# Altium PCB EDA-03518-V3-0_pcb.pcbdoc (part 11 of 14)
Units mm, origin at the board's own origin, x right, y up, seen from the top; angles counter-clockwise.
Board outline 220 x 230 mm, 8 copper layers (Top Layer, L2P, L3, L4P, L5P, L6, L7P, Bottom Layer), stack 2.18 mm thick; 1190 components, 1445 nets, 5955 pads, 2149 vias.
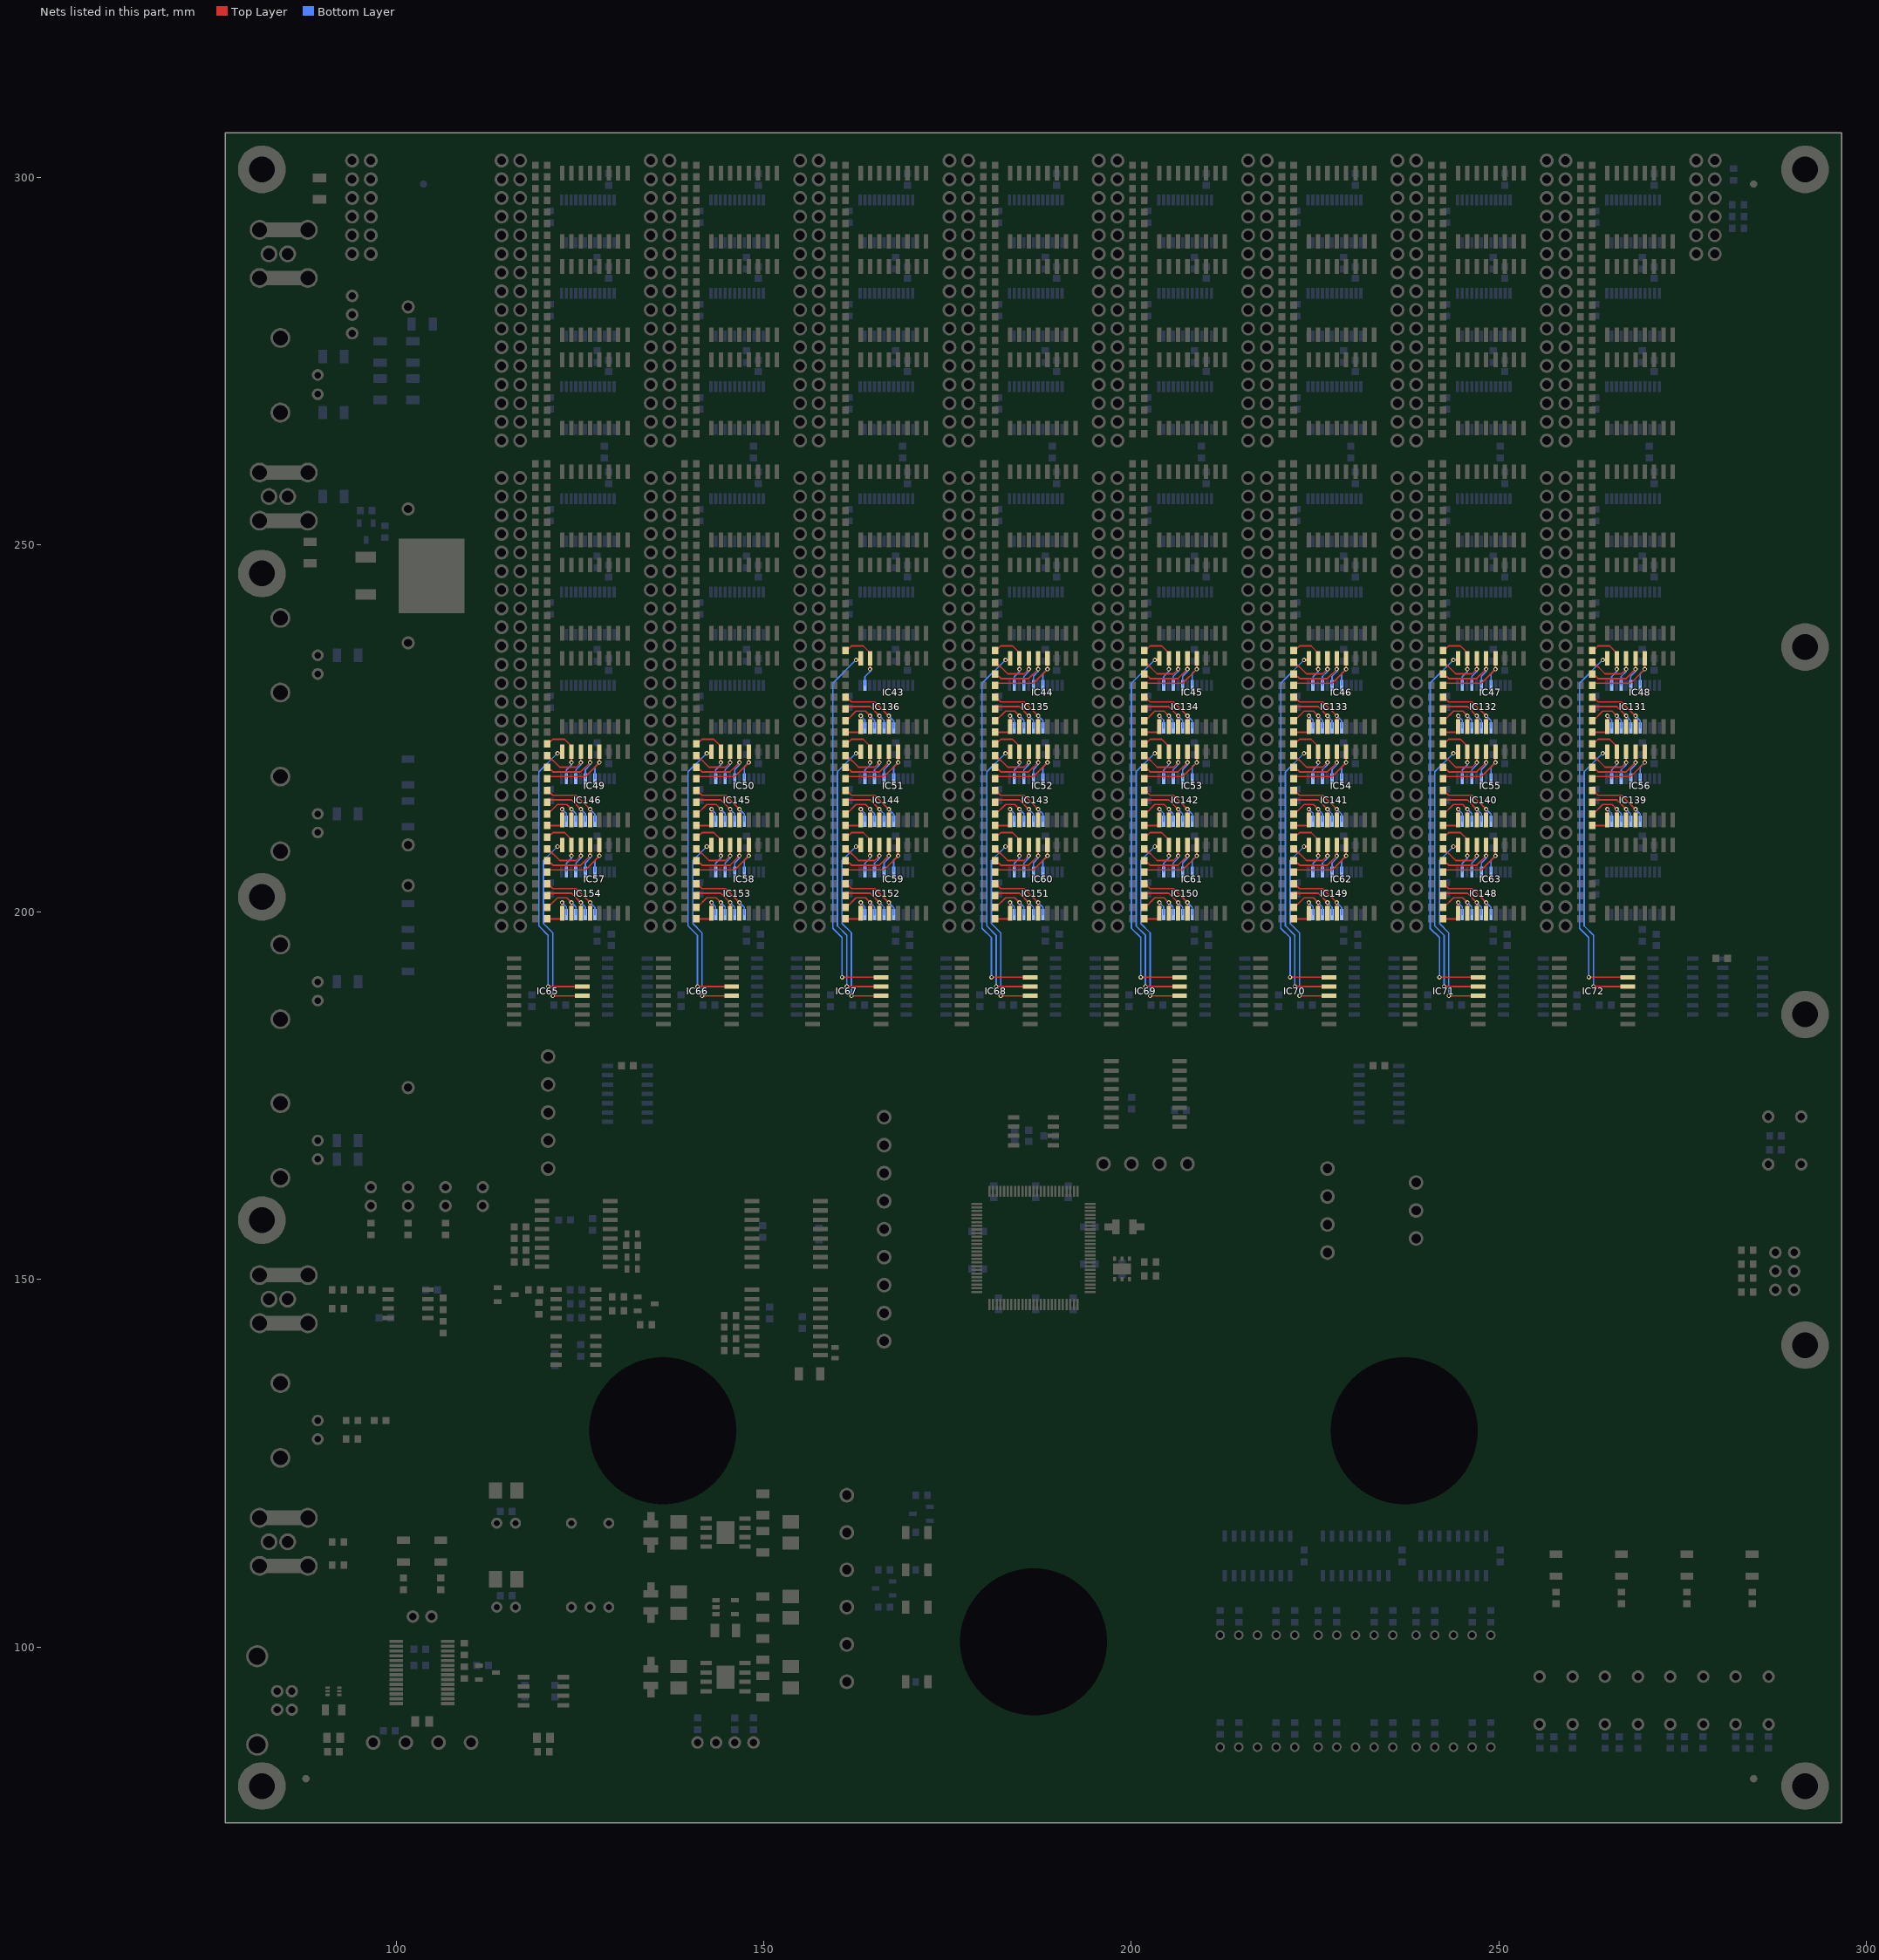
[diagram p17: the nets of this part, all layers, seen from the top]

## Via types
v1: diameter 0.6, hole 0.3, Top Layer to Bottom Layer, tented both sides, 1995 vias
v2: diameter 1, hole 0.5, Top Layer to Bottom Layer, tented both sides, 154 vias

## Nets (pads, with @x,y where several pads share a name; then routed paths per layer and width w, separated by ;. In a path a pad name is that pad's centre, name@x,y a point inside that pad or via, vN(x,y) a via of type N, cw(c..) or ccw(c..) an arc to the next point about the centre after c; other vN are vias at no path point) (continued)
NetIC43_7: IC43.7 IC136.14 R325.2 | length 8.7
  Top Layer w0.203: R325.2@161.138,235.585 161.29,235.585 161.925,236.22 163.512,236.22 164.465,235.267 IC43.7@164.465,234.52 v1(164.465,233.045)
  Bottom Layer w0.203: IC136.14@163.762,230.865 163.762,232.025 164.465,232.727 v1(164.465,233.045)
NetIC43_8: IC43.8 IC67.6 | length 51
  Top Layer w0.203: v1(160.655,191.135) IC67.6@165.94,191.135 ; v1(162.56,234.315) 162.99,234.315 IC43.8@163.195,234.52
  Bottom Layer w0.203: v1(160.655,191.135) 160.655,196.532 159.385,197.802 159.385,231.14 v1(162.56,234.315)
NetIC43_9: IC43.9 IC136.11 R381.2 | length 6.1
  Top Layer w0.203: R381.2@161.138,224.472 163.195,224.472 IC43.9@163.195,225.22 v1(163.195,226.695)
  Bottom Layer w0.203: v1(163.195,226.695) 163.762,226.128 IC136.11@163.762,225.065
NetIC43_10: IC43.10 IC136.9 R373.2 | length 7.5
  Top Layer w0.203: R373.2@161.138,226.06 161.29,226.06 162.56,227.33 163.83,227.33 v1(164.465,226.695) IC43.10@164.465,225.22
  Bottom Layer w0.203: v1(164.465,226.695) 165.062,226.098 IC136.9@165.062,225.065
NetIC43_11: IC43.11 IC136.7 R365.2 | length 8.6
  Top Layer w0.203: R365.2@161.138,227.647 161.455,227.965 164.465,227.965 v1(165.735,226.695) IC43.11@165.735,225.22
  Bottom Layer w0.203: v1(165.735,226.695) 166.362,226.068 IC136.7@166.362,225.065
NetIC43_12: IC43.12 IC136.5 R357.2 | length 10.3
  Top Layer w0.203: R357.2@161.138,229.235 161.29,229.235 161.925,228.6 165.1,228.6 v1(167.005,226.695) IC43.12@167.005,225.22
  Bottom Layer w0.203: v1(167.005,226.695) 167.662,226.038 IC136.5@167.662,225.065
NetIC44_4: IC44.4 IC135.20 R350.2 | length 12
  Top Layer w0.203: R350.2@181.458,230.822 181.775,231.14 186.69,231.14 v1(188.595,233.045) IC44.4@188.595,234.52
  Bottom Layer w0.203: IC135.20@187.982,230.865 187.982,232.432 v1(188.595,233.045)
NetIC44_5: IC44.5 IC135.18 R342.2 | length 10.6
  Top Layer w0.203: R342.2@181.458,232.41 181.61,232.41 182.245,231.775 186.055,231.775 v1(187.325,233.045) IC44.5@187.325,234.52
  Bottom Layer w0.203: IC135.18@186.682,230.865 186.682,232.085 187.325,232.727 v1(187.325,233.045)
NetIC44_6: IC44.6 IC135.16 R334.2 | length 9.5
  Top Layer w0.203: R334.2@181.458,233.998 181.61,233.998 183.197,232.41 185.42,232.41 v1(186.055,233.045) IC44.6@186.055,234.52
  Bottom Layer w0.203: IC135.16@185.382,230.865 185.382,232.055 186.055,232.727 v1(186.055,233.045)
NetIC44_7: IC44.7 IC135.14 R326.2 | length 8.7
  Top Layer w0.203: R326.2@181.458,235.585 181.61,235.585 182.245,236.22 183.832,236.22 184.785,235.267 IC44.7@184.785,234.52 v1(184.785,233.045)
  Bottom Layer w0.203: IC135.14@184.082,230.865 184.082,232.025 184.785,232.727 v1(184.785,233.045)
NetIC44_8: IC44.8 IC68.6 | length 51
  Top Layer w0.203: v1(180.975,191.135) IC68.6@186.26,191.135 ; v1(182.88,234.315) 183.31,234.315 IC44.8@183.515,234.52
  Bottom Layer w0.203: v1(180.975,191.135) 180.975,196.532 179.705,197.802 179.705,231.14 v1(182.88,234.315)
NetIC44_9: IC44.9 IC135.11 R382.2 | length 6.1
  Top Layer w0.203: R382.2@181.458,224.472 183.515,224.472 IC44.9@183.515,225.22 v1(183.515,226.695)
  Bottom Layer w0.203: v1(183.515,226.695) 184.082,226.128 IC135.11@184.082,225.065
NetIC44_10: IC44.10 IC135.9 R374.2 | length 7.5
  Top Layer w0.203: R374.2@181.458,226.06 181.61,226.06 182.88,227.33 184.15,227.33 v1(184.785,226.695) IC44.10@184.785,225.22
  Bottom Layer w0.203: v1(184.785,226.695) 185.382,226.098 IC135.9@185.382,225.065
NetIC44_11: IC44.11 IC135.7 R366.2 | length 8.6
  Top Layer w0.203: R366.2@181.458,227.647 181.775,227.965 184.785,227.965 v1(186.055,226.695) IC44.11@186.055,225.22
  Bottom Layer w0.203: v1(186.055,226.695) 186.682,226.068 IC135.7@186.682,225.065
NetIC44_12: IC44.12 IC135.5 R358.2 | length 10.3
  Top Layer w0.203: R358.2@181.458,229.235 181.61,229.235 182.245,228.6 185.42,228.6 v1(187.325,226.695) IC44.12@187.325,225.22
  Bottom Layer w0.203: v1(187.325,226.695) 187.982,226.038 IC135.5@187.982,225.065
NetIC45_4: IC45.4 IC134.20 R351.2 | length 12
  Top Layer w0.203: R351.2@201.778,230.822 202.095,231.14 207.01,231.14 v1(208.915,233.045) IC45.4@208.915,234.52
  Bottom Layer w0.203: IC134.20@208.302,230.865 208.302,232.432 v1(208.915,233.045)
NetIC45_5: IC45.5 IC134.18 R343.2 | length 10.6
  Top Layer w0.203: R343.2@201.778,232.41 201.93,232.41 202.565,231.775 206.375,231.775 v1(207.645,233.045) IC45.5@207.645,234.52
  Bottom Layer w0.203: IC134.18@207.002,230.865 207.002,232.085 207.645,232.727 v1(207.645,233.045)
NetIC45_6: IC45.6 IC134.16 R335.2 | length 9.5
  Top Layer w0.203: R335.2@201.778,233.998 201.93,233.998 203.517,232.41 205.74,232.41 v1(206.375,233.045) IC45.6@206.375,234.52
  Bottom Layer w0.203: IC134.16@205.702,230.865 205.702,232.055 206.375,232.727 v1(206.375,233.045)
NetIC45_7: IC45.7 IC134.14 R327.2 | length 8.7
  Top Layer w0.203: R327.2@201.778,235.585 201.93,235.585 202.565,236.22 204.153,236.22 205.105,235.267 IC45.7@205.105,234.52 v1(205.105,233.045)
  Bottom Layer w0.203: IC134.14@204.402,230.865 204.402,232.025 205.105,232.727 v1(205.105,233.045)
NetIC45_8: IC45.8 IC69.6 | length 51
  Top Layer w0.203: v1(201.295,191.135) IC69.6@206.58,191.135 ; v1(203.2,234.315) 203.63,234.315 IC45.8@203.835,234.52
  Bottom Layer w0.203: v1(201.295,191.135) 201.295,196.532 200.025,197.802 200.025,231.14 v1(203.2,234.315)
NetIC45_9: IC45.9 IC134.11 R383.2 | length 6.1
  Top Layer w0.203: R383.2@201.778,224.472 203.835,224.472 IC45.9@203.835,225.22 v1(203.835,226.695)
  Bottom Layer w0.203: v1(203.835,226.695) 204.402,226.128 IC134.11@204.402,225.065
NetIC45_10: IC45.10 IC134.9 R375.2 | length 7.5
  Top Layer w0.203: R375.2@201.778,226.06 201.93,226.06 203.2,227.33 204.47,227.33 v1(205.105,226.695) IC45.10@205.105,225.22
  Bottom Layer w0.203: v1(205.105,226.695) 205.702,226.098 IC134.9@205.702,225.065
NetIC45_11: IC45.11 IC134.7 R367.2 | length 8.6
  Top Layer w0.203: R367.2@201.778,227.647 202.095,227.965 205.105,227.965 v1(206.375,226.695) IC45.11@206.375,225.22
  Bottom Layer w0.203: v1(206.375,226.695) 207.002,226.068 IC134.7@207.002,225.065
NetIC45_12: IC45.12 IC134.5 R359.2 | length 10.3
  Top Layer w0.203: R359.2@201.778,229.235 201.93,229.235 202.565,228.6 205.74,228.6 v1(207.645,226.695) IC45.12@207.645,225.22
  Bottom Layer w0.203: v1(207.645,226.695) 208.302,226.038 IC134.5@208.302,225.065
NetIC46_4: IC46.4 IC133.20 R352.2 | length 12
  Top Layer w0.203: R352.2@222.098,230.822 222.415,231.14 227.33,231.14 v1(229.235,233.045) IC46.4@229.235,234.52
  Bottom Layer w0.203: IC133.20@228.622,230.865 228.622,232.432 v1(229.235,233.045)
NetIC46_5: IC46.5 IC133.18 R344.2 | length 10.6
  Top Layer w0.203: R344.2@222.098,232.41 222.25,232.41 222.885,231.775 226.695,231.775 v1(227.965,233.045) IC46.5@227.965,234.52
  Bottom Layer w0.203: IC133.18@227.322,230.865 227.322,232.085 227.965,232.727 v1(227.965,233.045)
NetIC46_6: IC46.6 IC133.16 R336.2 | length 9.5
  Top Layer w0.203: R336.2@222.098,233.998 222.25,233.998 223.837,232.41 226.06,232.41 v1(226.695,233.045) IC46.6@226.695,234.52
  Bottom Layer w0.203: IC133.16@226.022,230.865 226.022,232.055 226.695,232.727 v1(226.695,233.045)
NetIC46_7: IC46.7 IC133.14 R328.2 | length 8.7
  Top Layer w0.203: R328.2@222.098,235.585 222.25,235.585 222.885,236.22 224.472,236.22 225.425,235.267 IC46.7@225.425,234.52 v1(225.425,233.045)
  Bottom Layer w0.203: IC133.14@224.722,230.865 224.722,232.025 225.425,232.727 v1(225.425,233.045)
NetIC46_8: IC46.8 IC70.6 | length 51
  Top Layer w0.203: v1(221.615,191.135) IC70.6@226.9,191.135 ; v1(223.52,234.315) 223.95,234.315 IC46.8@224.155,234.52
  Bottom Layer w0.203: v1(221.615,191.135) 221.615,196.532 220.345,197.802 220.345,231.14 v1(223.52,234.315)
NetIC46_9: IC46.9 IC133.11 R384.2 | length 6.1
  Top Layer w0.203: R384.2@222.098,224.472 224.155,224.472 IC46.9@224.155,225.22 v1(224.155,226.695)
  Bottom Layer w0.203: v1(224.155,226.695) 224.722,226.128 IC133.11@224.722,225.065
NetIC46_10: IC46.10 IC133.9 R376.2 | length 7.5
  Top Layer w0.203: R376.2@222.098,226.06 222.25,226.06 223.52,227.33 224.79,227.33 v1(225.425,226.695) IC46.10@225.425,225.22
  Bottom Layer w0.203: v1(225.425,226.695) 226.022,226.098 IC133.9@226.022,225.065
NetIC46_11: IC46.11 IC133.7 R368.2 | length 8.6
  Top Layer w0.203: R368.2@222.098,227.647 222.415,227.965 225.425,227.965 v1(226.695,226.695) IC46.11@226.695,225.22
  Bottom Layer w0.203: v1(226.695,226.695) 227.322,226.068 IC133.7@227.322,225.065
NetIC46_12: IC46.12 IC133.5 R360.2 | length 10.3
  Top Layer w0.203: R360.2@222.098,229.235 222.25,229.235 222.885,228.6 226.06,228.6 v1(227.965,226.695) IC46.12@227.965,225.22
  Bottom Layer w0.203: v1(227.965,226.695) 228.622,226.038 IC133.5@228.622,225.065
NetIC47_4: IC47.4 IC132.20 R353.2 | length 12
  Top Layer w0.203: R353.2@242.418,230.822 242.735,231.14 247.65,231.14 v1(249.555,233.045) IC47.4@249.555,234.52
  Bottom Layer w0.203: IC132.20@248.942,230.865 248.942,232.432 v1(249.555,233.045)
NetIC47_5: IC47.5 IC132.18 R345.2 | length 10.6
  Top Layer w0.203: R345.2@242.418,232.41 242.57,232.41 243.205,231.775 247.015,231.775 v1(248.285,233.045) IC47.5@248.285,234.52
  Bottom Layer w0.203: IC132.18@247.642,230.865 247.642,232.085 248.285,232.727 v1(248.285,233.045)
NetIC47_6: IC47.6 IC132.16 R337.2 | length 9.5
  Top Layer w0.203: R337.2@242.418,233.998 242.57,233.998 244.157,232.41 246.38,232.41 v1(247.015,233.045) IC47.6@247.015,234.52
  Bottom Layer w0.203: IC132.16@246.342,230.865 246.342,232.055 247.015,232.727 v1(247.015,233.045)
NetIC47_7: IC47.7 IC132.14 R329.2 | length 8.7
  Top Layer w0.203: R329.2@242.418,235.585 242.57,235.585 243.205,236.22 244.792,236.22 245.745,235.267 IC47.7@245.745,234.52 v1(245.745,233.045)
  Bottom Layer w0.203: IC132.14@245.042,230.865 245.042,232.025 245.745,232.727 v1(245.745,233.045)
NetIC47_8: IC47.8 IC71.6 | length 51
  Top Layer w0.203: v1(241.935,191.135) IC71.6@247.22,191.135 ; v1(243.84,234.315) 244.27,234.315 IC47.8@244.475,234.52
  Bottom Layer w0.203: v1(241.935,191.135) 241.935,196.532 240.665,197.802 240.665,231.14 v1(243.84,234.315)
NetIC47_9: IC47.9 IC132.11 R385.2 | length 6.1
  Top Layer w0.203: R385.2@242.418,224.472 244.475,224.472 IC47.9@244.475,225.22 v1(244.475,226.695)
  Bottom Layer w0.203: v1(244.475,226.695) 245.042,226.128 IC132.11@245.042,225.065
NetIC47_10: IC47.10 IC132.9 R377.2 | length 7.5
  Top Layer w0.203: R377.2@242.418,226.06 242.57,226.06 243.84,227.33 245.11,227.33 v1(245.745,226.695) IC47.10@245.745,225.22
  Bottom Layer w0.203: v1(245.745,226.695) 246.342,226.098 IC132.9@246.342,225.065
NetIC47_11: IC47.11 IC132.7 R369.2 | length 8.6
  Top Layer w0.203: R369.2@242.418,227.647 242.735,227.965 245.745,227.965 v1(247.015,226.695) IC47.11@247.015,225.22
  Bottom Layer w0.203: v1(247.015,226.695) 247.642,226.068 IC132.7@247.642,225.065
NetIC47_12: IC47.12 IC132.5 R361.2 | length 10.3
  Top Layer w0.203: R361.2@242.418,229.235 242.57,229.235 243.205,228.6 246.38,228.6 v1(248.285,226.695) IC47.12@248.285,225.22
  Bottom Layer w0.203: v1(248.285,226.695) 248.942,226.038 IC132.5@248.942,225.065
NetIC48_4: IC48.4 IC131.20 R354.2 | length 12
  Top Layer w0.203: R354.2@262.738,230.822 263.055,231.14 267.97,231.14 v1(269.875,233.045) IC48.4@269.875,234.52
  Bottom Layer w0.203: IC131.20@269.262,230.865 269.262,232.432 v1(269.875,233.045)
NetIC48_5: IC48.5 IC131.18 R346.2 | length 10.6
  Top Layer w0.203: R346.2@262.738,232.41 262.89,232.41 263.525,231.775 267.335,231.775 v1(268.605,233.045) IC48.5@268.605,234.52
  Bottom Layer w0.203: IC131.18@267.962,230.865 267.962,232.085 268.605,232.727 v1(268.605,233.045)
NetIC48_6: IC48.6 IC131.16 R338.2 | length 9.5
  Top Layer w0.203: R338.2@262.738,233.998 262.89,233.998 264.477,232.41 266.7,232.41 v1(267.335,233.045) IC48.6@267.335,234.52
  Bottom Layer w0.203: IC131.16@266.662,230.865 266.662,232.055 267.335,232.727 v1(267.335,233.045)
NetIC48_7: IC48.7 IC131.14 R330.2 | length 8.7
  Top Layer w0.203: R330.2@262.738,235.585 262.89,235.585 263.525,236.22 265.113,236.22 266.065,235.267 IC48.7@266.065,234.52 v1(266.065,233.045)
  Bottom Layer w0.203: IC131.14@265.362,230.865 265.362,232.025 266.065,232.727 v1(266.065,233.045)
NetIC48_8: IC48.8 IC72.6 | length 51
  Top Layer w0.203: v1(262.255,191.135) IC72.6@267.54,191.135 ; v1(264.16,234.315) 264.59,234.315 IC48.8@264.795,234.52
  Bottom Layer w0.203: v1(262.255,191.135) 262.255,196.532 260.985,197.802 260.985,231.14 v1(264.16,234.315)
NetIC48_9: IC48.9 IC131.11 R386.2 | length 6.1
  Top Layer w0.203: R386.2@262.738,224.472 264.795,224.472 IC48.9@264.795,225.22 v1(264.795,226.695)
  Bottom Layer w0.203: v1(264.795,226.695) 265.362,226.128 IC131.11@265.362,225.065
NetIC48_10: IC48.10 IC131.9 R378.2 | length 7.5
  Top Layer w0.203: R378.2@262.738,226.06 262.89,226.06 264.16,227.33 265.43,227.33 v1(266.065,226.695) IC48.10@266.065,225.22
  Bottom Layer w0.203: v1(266.065,226.695) 266.662,226.098 IC131.9@266.662,225.065
NetIC48_11: IC48.11 IC131.7 R370.2 | length 8.6
  Top Layer w0.203: R370.2@262.738,227.647 263.055,227.965 266.065,227.965 v1(267.335,226.695) IC48.11@267.335,225.22
  Bottom Layer w0.203: v1(267.335,226.695) 267.962,226.068 IC131.7@267.962,225.065
NetIC48_12: IC48.12 IC131.5 R362.2 | length 10.3
  Top Layer w0.203: R362.2@262.738,229.235 262.89,229.235 263.525,228.6 266.7,228.6 v1(268.605,226.695) IC48.12@268.605,225.22
  Bottom Layer w0.203: v1(268.605,226.695) 269.262,226.038 IC131.5@269.262,225.065
NetIC49_4: IC49.4 IC146.20 R411.2 | length 12
  Top Layer w0.203: R411.2@120.498,218.123 120.815,218.44 125.73,218.44 v1(127.635,220.345) IC49.4@127.635,221.82
  Bottom Layer w0.203: IC146.20@127.022,218.165 127.022,219.732 v1(127.635,220.345)
NetIC49_5: IC49.5 IC146.18 R403.2 | length 10.6
  Top Layer w0.203: R403.2@120.498,219.71 120.65,219.71 121.285,219.075 125.095,219.075 v1(126.365,220.345) IC49.5@126.365,221.82
  Bottom Layer w0.203: IC146.18@125.722,218.165 125.722,219.385 126.365,220.028 v1(126.365,220.345)
NetIC49_6: IC49.6 IC146.16 R395.2 | length 9.5
  Top Layer w0.203: R395.2@120.498,221.297 120.65,221.297 122.237,219.71 124.46,219.71 v1(125.095,220.345) IC49.6@125.095,221.82
  Bottom Layer w0.203: IC146.16@124.422,218.165 124.422,219.355 125.095,220.028 v1(125.095,220.345)
NetIC49_7: IC49.7 IC146.14 R387.2 | length 8.7
  Top Layer w0.203: R387.2@120.498,222.885 120.65,222.885 121.285,223.52 122.872,223.52 123.825,222.567 IC49.7@123.825,221.82 v1(123.825,220.345)
  Bottom Layer w0.203: IC146.14@123.122,218.165 123.122,219.325 123.825,220.028 v1(123.825,220.345)
NetIC49_8: IC49.8 IC65.5 | length 38.7
  Top Layer w0.203: v1(120.65,189.865) IC65.5@125.3,189.865 ; v1(121.92,221.615) 122.35,221.615 IC49.8@122.555,221.82
  Bottom Layer w0.203: v1(120.65,189.865) 120.65,196.85 119.38,198.12 119.38,219.075 v1(121.92,221.615)
NetIC49_9: IC49.9 IC146.11 R443.2 | length 6.1
  Top Layer w0.203: R443.2@120.498,211.772 122.555,211.772 IC49.9@122.555,212.52 v1(122.555,213.995)
  Bottom Layer w0.203: v1(122.555,213.995) 123.122,213.428 IC146.11@123.122,212.365
NetIC49_10: IC49.10 IC146.9 R435.2 | length 7.5
  Top Layer w0.203: R435.2@120.498,213.36 120.65,213.36 121.92,214.63 123.19,214.63 v1(123.825,213.995) IC49.10@123.825,212.52
  Bottom Layer w0.203: v1(123.825,213.995) 124.422,213.398 IC146.9@124.422,212.365
NetIC49_11: IC49.11 IC146.7 R427.2 | length 8.6
  Top Layer w0.203: R427.2@120.498,214.947 120.815,215.265 123.825,215.265 v1(125.095,213.995) IC49.11@125.095,212.52
  Bottom Layer w0.203: v1(125.095,213.995) 125.722,213.368 IC146.7@125.722,212.365
NetIC49_12: IC49.12 IC146.5 R419.2 | length 10.3
  Top Layer w0.203: R419.2@120.498,216.535 120.65,216.535 121.285,215.9 124.46,215.9 v1(126.365,213.995) IC49.12@126.365,212.52
  Bottom Layer w0.203: v1(126.365,213.995) 127.022,213.338 IC146.5@127.022,212.365
NetIC50_4: IC50.4 IC145.20 R412.2 | length 12
  Top Layer w0.203: R412.2@140.818,218.123 141.135,218.44 146.05,218.44 v1(147.955,220.345) IC50.4@147.955,221.82
  Bottom Layer w0.203: IC145.20@147.342,218.165 147.342,219.732 v1(147.955,220.345)
NetIC50_5: IC50.5 IC145.18 R404.2 | length 10.6
  Top Layer w0.203: R404.2@140.818,219.71 140.97,219.71 141.605,219.075 145.415,219.075 v1(146.685,220.345) IC50.5@146.685,221.82
  Bottom Layer w0.203: IC145.18@146.042,218.165 146.042,219.385 146.685,220.028 v1(146.685,220.345)
NetIC50_6: IC50.6 IC145.16 R396.2 | length 9.5
  Top Layer w0.203: R396.2@140.818,221.297 140.97,221.297 142.558,219.71 144.78,219.71 v1(145.415,220.345) IC50.6@145.415,221.82
  Bottom Layer w0.203: IC145.16@144.742,218.165 144.742,219.355 145.415,220.028 v1(145.415,220.345)
NetIC50_7: IC50.7 IC145.14 R388.2 | length 8.7
  Top Layer w0.203: R388.2@140.818,222.885 140.97,222.885 141.605,223.52 143.192,223.52 144.145,222.567 IC50.7@144.145,221.82 v1(144.145,220.345)
  Bottom Layer w0.203: IC145.14@143.442,218.165 143.442,219.325 144.145,220.028 v1(144.145,220.345)
NetIC50_8: IC50.8 IC66.5 | length 38.7
  Top Layer w0.203: v1(140.97,189.865) IC66.5@145.62,189.865 ; v1(142.24,221.615) 142.67,221.615 IC50.8@142.875,221.82
  Bottom Layer w0.203: v1(140.97,189.865) 140.97,196.85 139.7,198.12 139.7,219.075 v1(142.24,221.615)
NetIC50_9: IC50.9 IC145.11 R444.2 | length 6.1
  Top Layer w0.203: R444.2@140.818,211.772 142.875,211.772 IC50.9@142.875,212.52 v1(142.875,213.995)
  Bottom Layer w0.203: v1(142.875,213.995) 143.442,213.428 IC145.11@143.442,212.365
NetIC50_10: IC50.10 IC145.9 R436.2 | length 7.5
  Top Layer w0.203: R436.2@140.818,213.36 140.97,213.36 142.24,214.63 143.51,214.63 v1(144.145,213.995) IC50.10@144.145,212.52
  Bottom Layer w0.203: v1(144.145,213.995) 144.742,213.398 IC145.9@144.742,212.365
NetIC50_11: IC50.11 IC145.7 R428.2 | length 8.6
  Top Layer w0.203: R428.2@140.818,214.947 141.135,215.265 144.145,215.265 v1(145.415,213.995) IC50.11@145.415,212.52
  Bottom Layer w0.203: v1(145.415,213.995) 146.042,213.368 IC145.7@146.042,212.365
NetIC50_12: IC50.12 IC145.5 R420.2 | length 10.3
  Top Layer w0.203: R420.2@140.818,216.535 140.97,216.535 141.605,215.9 144.78,215.9 v1(146.685,213.995) IC50.12@146.685,212.52
  Bottom Layer w0.203: v1(146.685,213.995) 147.342,213.338 IC145.5@147.342,212.365
NetIC51_4: IC51.4 IC144.20 R413.2 | length 12
  Top Layer w0.203: R413.2@161.138,218.123 161.455,218.44 166.37,218.44 v1(168.275,220.345) IC51.4@168.275,221.82
  Bottom Layer w0.203: IC144.20@167.662,218.165 167.662,219.732 v1(168.275,220.345)
NetIC51_5: IC51.5 IC144.18 R405.2 | length 10.6
  Top Layer w0.203: R405.2@161.138,219.71 161.29,219.71 161.925,219.075 165.735,219.075 v1(167.005,220.345) IC51.5@167.005,221.82
  Bottom Layer w0.203: IC144.18@166.362,218.165 166.362,219.385 167.005,220.028 v1(167.005,220.345)
NetIC51_6: IC51.6 IC144.16 R397.2 | length 9.5
  Top Layer w0.203: R397.2@161.138,221.297 161.29,221.297 162.877,219.71 165.1,219.71 v1(165.735,220.345) IC51.6@165.735,221.82
  Bottom Layer w0.203: IC144.16@165.062,218.165 165.062,219.355 165.735,220.028 v1(165.735,220.345)
NetIC51_7: IC51.7 IC144.14 R389.2 | length 8.7
  Top Layer w0.203: R389.2@161.138,222.885 161.29,222.885 161.925,223.52 163.512,223.52 164.465,222.567 IC51.7@164.465,221.82 v1(164.465,220.345)
  Bottom Layer w0.203: IC144.14@163.762,218.165 163.762,219.325 164.465,220.028 v1(164.465,220.345)
NetIC51_8: IC51.8 IC67.5 | length 38.7
  Top Layer w0.203: v1(161.29,189.865) IC67.5@165.94,189.865 ; v1(162.56,221.615) 162.99,221.615 IC51.8@163.195,221.82
  Bottom Layer w0.203: v1(161.29,189.865) 161.29,196.85 160.02,198.12 160.02,219.075 v1(162.56,221.615)
NetIC51_9: IC51.9 IC144.11 R445.2 | length 6.1
  Top Layer w0.203: R445.2@161.138,211.772 163.195,211.772 IC51.9@163.195,212.52 v1(163.195,213.995)
  Bottom Layer w0.203: v1(163.195,213.995) 163.762,213.428 IC144.11@163.762,212.365
NetIC51_10: IC51.10 IC144.9 R437.2 | length 7.5
  Top Layer w0.203: R437.2@161.138,213.36 161.29,213.36 162.56,214.63 163.83,214.63 v1(164.465,213.995) IC51.10@164.465,212.52
  Bottom Layer w0.203: v1(164.465,213.995) 165.062,213.398 IC144.9@165.062,212.365